# KiCad board MAXI030.kicad_pcb (continued)
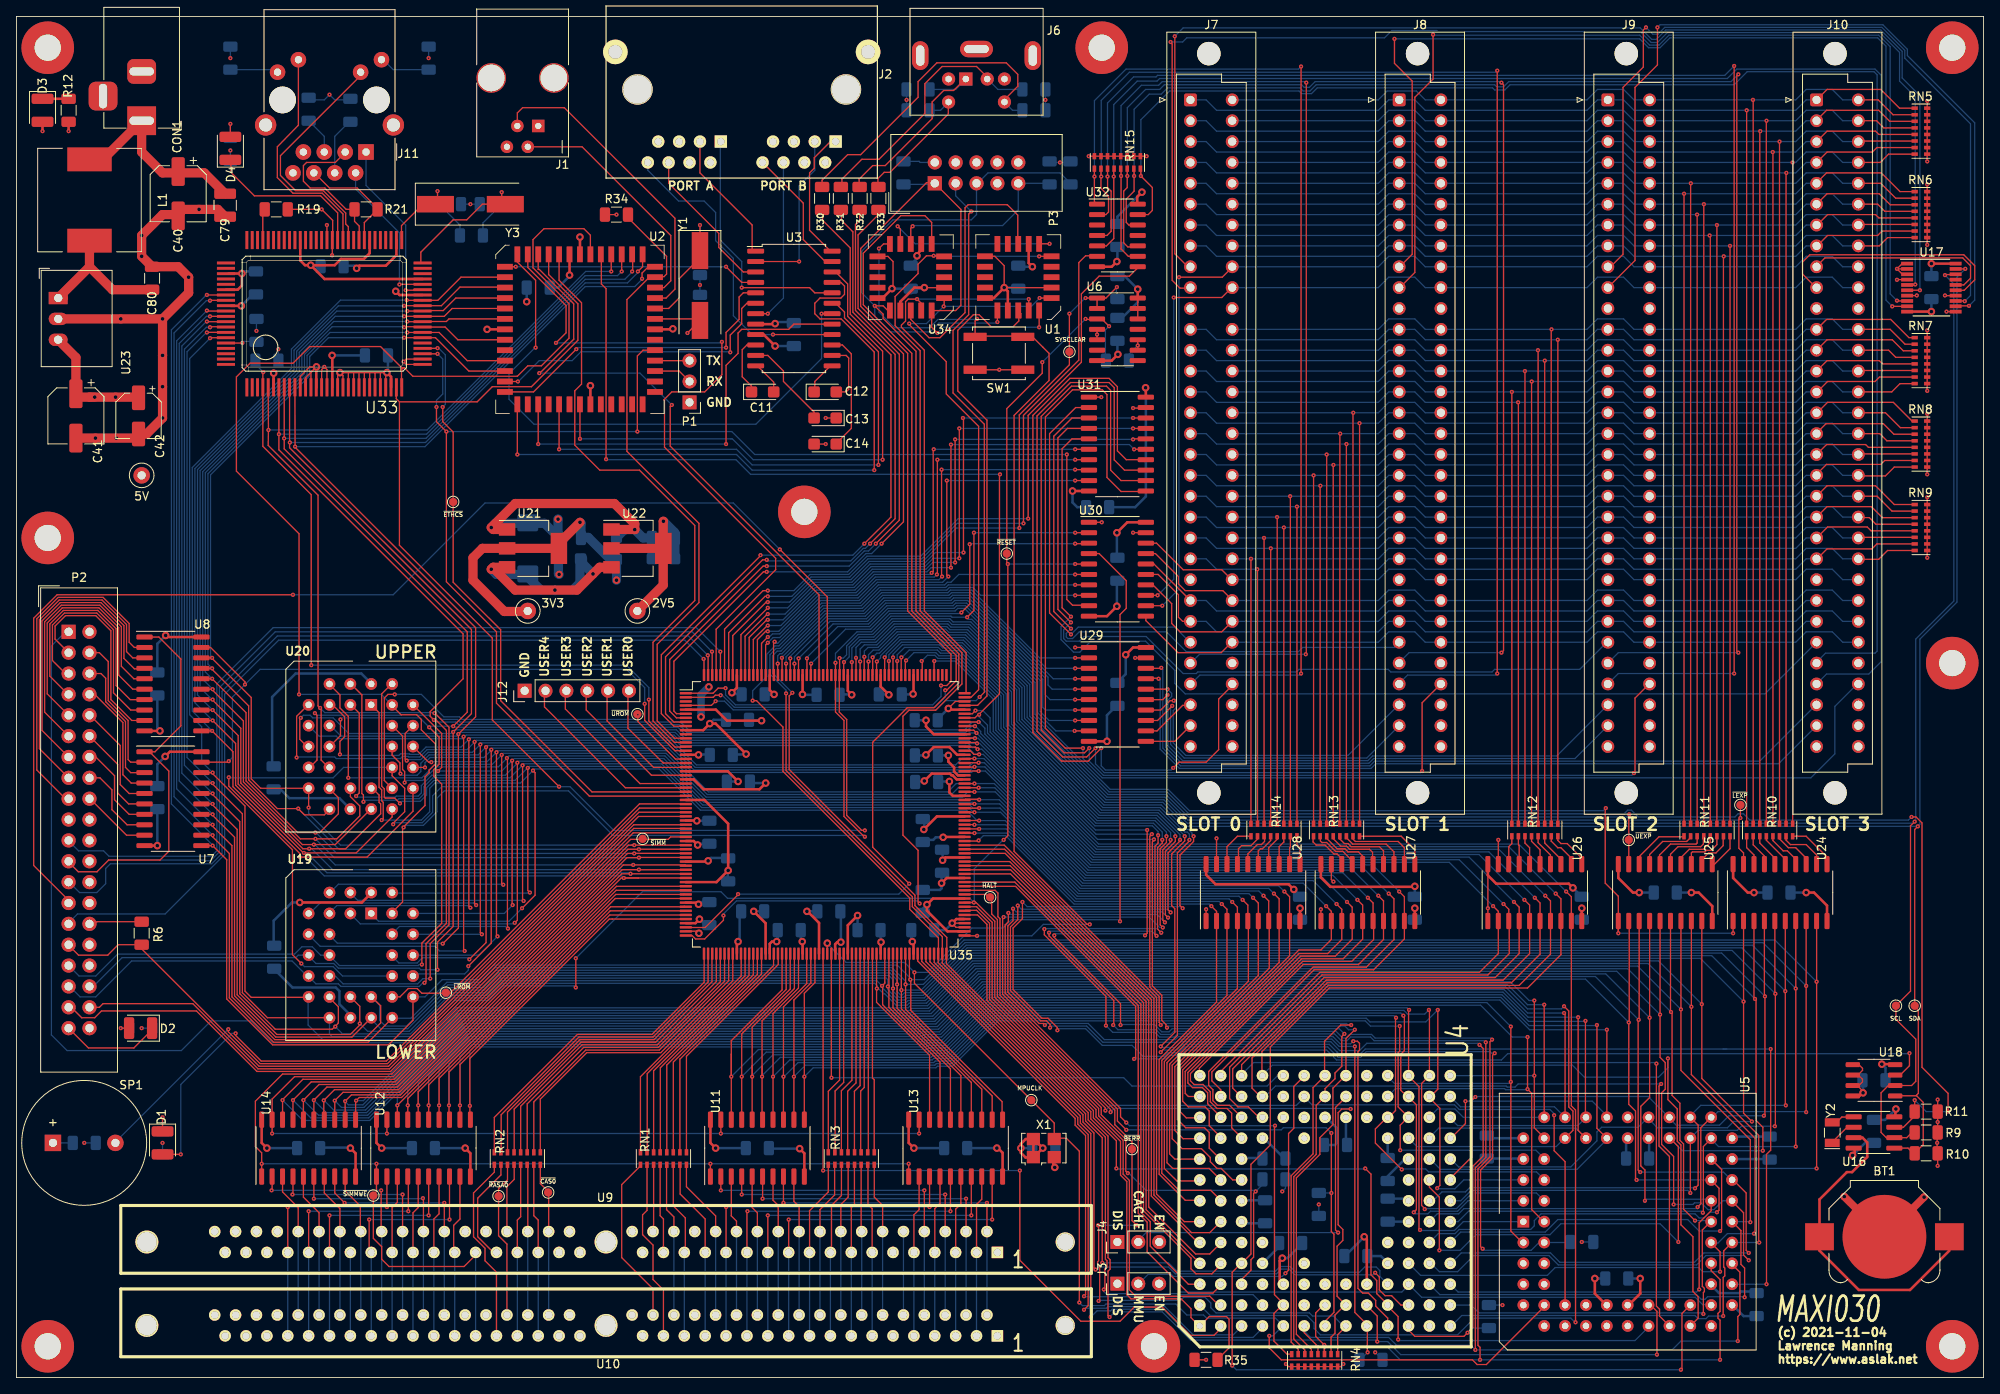
[diagram p0: board, top side]
## Routing (per net, layer and track width the routed paths; a pad name or vN(x,y) marks a point on that pad's centre or on a via; arc(x,y) is an arc through that point) (continued)
~{DSACK0}: length 242.4
  Top w0.152: v1(209.49,4.45) 209.49,7.43 209.74,7.68 209.74,12.83 208.72,13.84 ; 156.72,6.35 156.72,5.46 158.39,3.79 RN4.4 ; v1(139.45,65.47) 139.45,65.09 138.87,64.52 138.87,54.61 v1(139.32,54.17) ; v1(107.7,87.69) 107.68,87.67 107.68,85.54 ; v1(178.82,40.83) 178.82,26.8 177.55,25.53 v1(177.55,3.37) ; v1(132.59,42.86) 132.59,46.42 125.09,53.91 v1(125.09,54.61)
  Bottom w0.152: v1(139.32,54.17) 138.81,54.67 125.16,54.67 v1(125.09,54.61) ; v1(107.7,87.69) 107.76,87.69 108.65,88.58 112.08,88.58 112.46,88.2 114.62,88.2 119.82,82.99 119.82,79.06 131.38,67.5 138.37,67.5 139.45,66.42 v1(139.45,65.47) ; v1(132.59,42.86) 133.41,42.04 138.56,42.04 139.13,41.47 140.91,41.47 141.29,41.85 160.4,41.85 161.23,41.02 161.93,41.02 162.37,41.47 164.78,41.47 165.23,41.02 178.63,41.02 v1(178.82,40.83) ; U4.F1 156.72,5.65 157.48,4.89 167,4.89 167.96,3.94 176.97,3.94 v1(177.55,3.37) 201.49,3.37 202.56,4.45 v1(209.49,4.45)
~{DSACK1}: length 241.8
  Top w0.152: RN4.3 159.19,3.94 158.12,5.02 158.12,7.87 159.13,8.89 ; RN4.3 159.19,2.8 ; RN4.3 159.15,2.89 v1(159.15,3.98) ; U5.32 206.25,13.02 207.33,11.94 207.33,8.06 207.07,7.81 207.07,7.24 207.33,6.98 v1(207.33,2.16) ; v1(138.94,66.04) 138.94,65.09 138.56,64.71 138.56,53.98 v1(138.75,53.78) ; v1(125.67,54.17) 125.67,53.78 133.54,45.91 133.54,42.99 v1(133.48,42.93) ; 108.18,85.54 108.18,87.22 v1(108.27,87.31) ; v1(178.12,2.16) 178.12,3.68 177.86,3.94 177.86,25.4 179.32,26.86 179.32,40.89 v1(179.58,41.15)
  Bottom w0.152: v1(125.67,54.17) 125.86,54.36 138.18,54.36 v1(138.75,53.78) ; v1(108.27,87.31) 109.22,88.27 111.89,88.27 112.27,87.88 114.49,87.88 119.51,82.87 119.51,78.93 131.25,67.18 138.24,67.18 138.94,66.48 v1(138.94,66.04) ; v1(179.58,41.15) 179.39,41.34 165.35,41.34 164.91,41.78 162.24,41.78 161.8,41.34 161.42,41.34 160.59,42.16 140.84,42.16 140.46,41.78 139.26,41.78 138.68,42.35 134.05,42.35 v1(133.48,42.93) ; v1(159.15,3.98) 159.38,3.75 166.81,3.75 168.4,2.16 v1(178.12,2.16) v1(207.33,2.16)
~{DS}: length 206.4
  Top w0.152: U4.K2 166.88,8.7 168.15,7.43 v1(168.15,4.64) ; U30.8 v1(128.84,95.25) ; 113.22,51.94 113.22,53.59 109.35,57.47 109.35,58.74 94.04,74.04 94.04,82.99 v1(94.42,83.38) ; v1(164.15,25.46) 164.85,24.77 164.85,12.51 165.54,11.81 165.54,10.22 167,8.76 ; v1(133.86,25.46) 133.86,28.83 131.06,31.62 131.06,32.51 113.18,50.4 113.18,51.62
  Bottom w0.152: U4.K2 166.94,8.83 ; 198.69,6.22 196.98,4.51 168.28,4.51 v1(168.15,4.64) ; v1(164.15,25.46) 164.08,25.4 133.92,25.4 v1(133.86,25.46) ; v1(128.84,95.25) 117.35,95.25 116.4,96.2 113.54,96.2 113.22,95.88 105.16,95.88 102.93,93.66 98.23,93.66 93.03,88.46 92.58,88.46 92.01,87.88 92.01,85.79 v1(94.42,83.38)
~{ETHCS}: length 75.5
  Top w0.152: U33.34 51.21,125.31 v1(51.24,125.35) ; 81.6,71.31 70.04,71.31 58.93,82.42 58.93,91.06 53.15,96.84 53.15,115.13 51.88,116.4 v1(51.88,118.17)
  Bottom w0.152: v1(51.24,125.35) 51.37,125.35 52.2,124.52 52.2,118.49 v1(51.88,118.17)
~{EXPAS}: length 125.8
  Top w0.152: v1(140.84,131.51) 146.69,131.51 147.83,132.65 147.83,132.72 147.89,132.72 ; v1(138.87,95.25) U30.13 137.8,95.25
  Bottom w0.152: J7.c10 165.74,132.72 167,133.99 170.18,133.99 171.45,132.72 J8.c10 191.13,132.72 192.41,133.99 195.58,133.99 196.85,132.72 J9.c10 216.53,132.72 217.81,133.99 220.98,133.99 222.25,132.72 224.16,132.72 ; v1(138.87,95.25) 138.89,95.25 140.84,97.21 v1(140.84,131.51)
~{EXPBERRE0}: length 128.7
  Top w0.152: 134.43,147.19 v1(134.43,146.3) 134.43,137.41 135.32,136.53 U32.9 ; v1(156.97,157.67) 156.97,88.14 v1(156.91,88.07)
  Bottom w0.152: J7.a28 142.91,87 143.99,88.07 v1(156.91,88.07) ; v1(156.97,157.67) 156.85,157.8 139.45,157.8 139,157.35 136.91,157.35 134.43,154.88 v1(134.43,146.3)
~{EXPBERRE1}: length 148.9
  Top w0.152: RN15.6 135.19,146.3 ; 135.19,146.3 135.19,144.9 134.75,144.46 134.75,138.18 135.25,137.67 136.27,137.67 ; 135.19,146.3 v1(135.19,146.3) ; v1(180.72,88.27) 180.98,88.52 180.98,157.42 v1(180.72,157.67)
  Bottom w0.152: v1(180.72,88.27) 169.48,88.27 168.34,87.12 ; v1(180.72,157.67) 180.59,157.8 158.05,157.8 157.35,157.1 156.72,157.1 156.4,157.42 139.7,157.42 139.13,156.84 137.41,156.84 135.19,154.62 v1(135.19,146.3)
~{EXPBERRE2}: length 179.5
  Top w0.152: 136.02,146.37 v1(136.02,146.3) ; 136.02,146.37 136.02,147.19 ; 136.02,146.37 136.02,144.46 135.06,143.51 135.06,140.65 135.38,140.34 U32.12 ; v1(209.55,88.27) 209.36,88.46 209.36,158.5 v1(209.55,158.69)
  Bottom w0.152: v1(209.55,88.27) 194.94,88.27 J9.a28 ; v1(136.02,146.3) 136.02,154.43 137.86,156.27 139.32,156.27 140.08,157.04 156.21,157.04 156.59,156.65 157.42,156.65 158.18,157.42 179.9,157.42 180.15,157.16 180.98,157.16 181.61,157.8 208.66,157.8 v1(209.55,158.69)
~{EXPBERRE3}: length 185.2
  Top w0.152: U32.13 137.73,141.6 138.24,142.11 138.24,144.91 v1(136.84,146.3) 136.84,147.19
  Bottom w0.152: v1(136.84,146.3) 136.84,153.16 140.34,156.65 156.08,156.65 156.4,156.34 157.61,156.34 158.31,157.04 179.64,157.04 179.9,156.78 181.13,156.78 181.77,157.42 209.04,157.42 210.63,159 226.06,159 226.44,158.62 226.44,88.46 226.19,88.2 220.15,88.2 219.08,87.12
~{EXPDS}: length 129.3
  Top w0.152: 137.45,93.98 v1(139.45,93.98) ; v1(141.48,133.99) 146.75,133.99 148.02,135.25
  Bottom w0.152: 224.16,135.25 222.25,135.25 220.98,136.53 217.81,136.53 216.53,135.25 J9.c9 196.85,135.25 195.58,136.53 192.41,136.53 191.13,135.25 J8.c9 171.45,135.25 170.18,136.53 167,136.53 165.74,135.25 J7.c9 ; v1(139.45,93.98) 141.48,96.01 v1(141.48,133.99)
~{EXPIACKE0}: length 99.5
  Top w0.152: v1(140.78,74.23) 141.48,74.93 144.78,74.93 146.3,76.45 146.3,82.61 147.96,84.26 ; v1(132.02,76.64) 130.43,75.06 127.19,75.06 123.7,78.55 123.7,117.16 128.21,121.67 132.97,121.67 133.99,120.65 133.99,112.84 135.06,111.76 U31.14
  Bottom w0.152: v1(132.02,76.64) 132.02,74.49 132.52,73.98 140.53,73.98 v1(140.78,74.23)
~{EXPIACKE1}: length 125.4
  Top w0.152: 137.45,110.49 134.85,110.49 133.6,111.73 133.6,120.52 132.97,121.16 128.27,121.16 124.21,117.09 124.21,78.68 127.32,75.56 130.24,75.56 v1(131.32,76.64) ; 173.29,84.39 171.07,82.17 v1(171.07,73.85)
  Bottom w0.152: v1(171.07,73.85) 170.88,73.66 132.38,73.66 131.32,74.73 v1(131.32,76.64)
~{EXPIACKE2}: length 150.4
  Top w0.152: v1(196.85,73.6) 196.98,73.72 196.98,82.74 198.69,84.46 ; U31.12 134.43,109.22 133.16,110.49 133.16,120.21 132.65,120.71 128.4,120.71 124.71,117.03 124.71,78.87 127.51,76.07 129.98,76.07 v1(130.56,76.64)
  Bottom w0.152: v1(196.85,73.6) 196.58,73.33 132.28,73.33 130.56,75.06 v1(130.56,76.64)
~{EXPIACKE3}: length 172.8
  Top w0.152: 137.41,107.89 134.43,107.89 132.72,109.6 132.72,119.7 132.14,120.27 128.52,120.27 125.22,116.97 125.22,79.06 127.64,76.64 v1(129.79,76.64) ; 137.45,107.95 137.45,107.92
  Bottom w0.152: v1(129.79,76.64) 129.79,75.37 132.14,73.03 218.38,73.03 221.3,75.95 221.3,81.72 224.03,84.46 224.16,84.46
~{EXPINTE0}: length 47.2
  Top w0.152: v1(128.33,90.49) 125.73,93.09 125.73,114.94 128.91,118.11 130.52,118.11
  Bottom w0.152: 142.75,89.53 142.75,89.6 140.97,91.38 129.22,91.38 v1(128.33,90.49)
~{EXPINTE1}: length 73.1
  Top w0.152: U31.3 128.46,116.84 126.24,114.62 126.24,93.28 v1(128.33,91.19)
  Bottom w0.152: 168.28,89.47 167.7,88.9 156.53,88.9 156.02,88.39 142.37,88.39 139.95,90.81 129.35,90.81 128.52,89.98 127.95,89.98 127.76,90.17 127.76,90.61 v1(128.33,91.19)
~{EXPINTE2}: length 99.8
  Top w0.152: v1(128.33,91.95) 126.75,93.54 126.75,114.41 127.9,115.57 U31.4
  Bottom w0.152: v1(128.33,91.95) 127.44,91.06 127.44,89.98 127.76,89.66 129.35,89.66 129.92,90.23 137.48,90.23 141.99,85.72 143.57,85.72 143.76,85.92 155.77,85.92 156.08,86.23 166.94,86.23 167.26,85.92 179.58,85.92 179.9,86.23 190.25,86.23 193.48,89.47
~{EXPINTE3}: length 127.2
  Top w0.152: U31.5 128.46,114.3 127.25,113.09 127.25,93.73 v1(128.33,92.65)
  Bottom w0.152: v1(128.33,92.65) 127.13,91.44 127.13,89.85 128.65,88.33 129.41,88.33 130.75,89.66 137.41,89.66 140.97,86.11 140.97,84.52 142.24,83.25 212.79,83.25 219.01,89.47
~{EXPLCSE0}: length 6.7
  Top w0.152: 137.48,78.74 U29.12 138.81,78.74 141.92,81.85 142.81,81.85
~{EXPLCSE1}: length 39.8
  Top w0.152: U29.14 139.26,81.28 140.4,82.42 v1(140.84,82.42)
  Bottom w0.152: 168.15,81.85 162.05,75.76 142.3,75.76 140.78,77.28 140.78,81.22 141.16,81.6 141.16,82.11 v1(140.84,82.42)
~{EXPLCSE2}: length 66.9
  Top w0.152: v1(140.08,83.82) U29.16
  Bottom w0.152: 193.61,81.85 187.45,75.69 165.04,75.69 164.47,75.12 141.92,75.12 140.14,76.9 140.14,82.49 140.59,82.93 140.59,83.31 v1(140.08,83.82)
~{EXPLCSE3}: length 95.2
  Top w0.152: v1(139.32,86.42) 139.26,86.36 U29.18
  Bottom w0.152: 219.01,81.91 212.15,75.06 165.29,75.06 164.72,74.49 141.67,74.49 139.51,76.64 139.51,86.23 v1(139.32,86.42)
~{EXPREAD}: length 91.7
  Top w0.152: 147.96,97.09 146.69,98.36 141.99,98.36 138.75,101.6 137.45,101.6
  Bottom w0.152: 224.16,97.16 222.25,97.16 220.98,98.43 217.81,98.43 216.53,97.16 J9.c24 196.85,97.16 195.58,98.43 192.41,98.43 191.13,97.16 J8.c24 171.45,97.16 170.18,98.43 167,98.43 165.74,97.16 J7.c24
~{EXPRESET}: length 88.7
  Top w0.152: 142.81,92.08 141.92,92.08 141.41,92.58 141.41,95.31 138.94,97.79 U30.15
  Bottom w0.152: J7.a26 144.78,92.08 146.05,90.81 165.74,90.81 167,92.08 J8.a26 170.18,92.08 171.45,90.81 191.13,90.81 192.41,92.08 J9.a26 195.58,92.08 196.85,90.81 216.53,90.81 217.81,92.08 J10.a26
~{EXPUCSE0}: length 6
  Top w0.152: 142.75,79.25 140.97,77.47 U29.11
~{EXPUCSE1}: length 38.8
  Top w0.152: v1(140.65,81.79) 138.87,80.01 U29.13
  Bottom w0.152: 168.21,79.31 164.34,75.44 142.11,75.44 140.46,77.09 140.46,81.6 v1(140.65,81.79)
~{EXPUCSE2}: length 65.8
  Top w0.152: v1(140.08,83.12) 139.51,82.55 U29.15
  Bottom w0.152: 193.61,79.31 189.67,75.37 165.16,75.37 164.59,74.8 141.8,74.8 139.84,76.76 139.84,82.88 v1(140.08,83.12)
~{EXPUCSE3}: length 92.9
  Top w0.152: v1(139,85.09) 138.94,85.15 137.8,85.15
  Bottom w0.152: J10.a31 214.44,74.74 165.42,74.74 164.85,74.17 141.54,74.17 139.19,76.52 139.19,84.9 v1(139,85.09)
~{EXPWAITE0}: length 128.5
  Top w0.152: v1(156.34,159.64) v1(156.34,85.72) ; 131.25,147.19 RN15.1 131.19,146.23 ; 131.19,146.23 131.19,143.2 131.51,142.88 ; 131.19,146.23 v1(131.19,146.24)
  Bottom w0.152: v1(156.34,159.64) 156.02,159.32 135.03,159.32 131.19,155.48 v1(131.19,146.24) ; 142.94,84.46 144.02,85.53 156.15,85.53 v1(156.34,85.72)
~{EXPWAITE1}: length 152.4
  Top w0.152: RN15.2 131.99,146.21 ; 131.99,146.21 v1(132.02,146.24) ; 131.99,146.21 131.99,144.81 132.91,143.89 132.91,141.92 132.59,141.6 131.19,141.6 ; v1(180.21,159.13) v1(180.21,85.72)
  Bottom w0.152: v1(132.02,146.24) 132.02,155.51 135.45,158.94 180.02,158.94 v1(180.21,159.13) ; 168.28,84.52 169.29,85.53 180.02,85.53 v1(180.21,85.72)
~{EXPWAITE2}: length 186
  Top w0.152: 132.78,146.25 v1(132.78,146.24) ; 132.78,146.25 RN15.3 ; 132.78,146.25 132.78,144.9 133.22,144.46 133.22,139.57 132.72,139.06 132.33,139.06 132.27,139 ; 131,139.06 131.06,139.13 ; v1(209.04,159.7) v1(209.04,85.72)
  Bottom w0.152: v1(209.04,159.7) 207.9,158.56 138.87,158.56 138.68,158.37 135.95,158.37 132.78,155.19 v1(132.78,146.24) ; J9.a29 194.94,85.72 v1(209.04,85.72)
~{EXPWAITE3}: length 195.6
  Top w0.152: U32.5 132.65,137.8 133.54,138.68 v1(133.54,146.24) 133.54,147.26
  Bottom w0.152: v1(133.54,146.24) 133.54,155 136.4,157.86 138.81,157.86 139.13,158.18 208.22,158.18 209.36,159.32 226.19,159.32 226.95,158.56 226.95,87.19 225.43,85.66 220.28,85.66 J10.a29
~{EXPWRITE}: length 92.7
  Top w0.152: U30.17 138.62,100.33 141.41,97.54 141.41,96.65 142.24,95.82 146.81,95.82 147.96,94.68
  Bottom w0.152: J7.c25 165.74,94.62 167,95.88 170.18,95.88 171.45,94.62 J8.c25 191.13,94.62 192.41,95.88 195.58,95.88 196.85,94.62 J9.c25 216.53,94.62 217.81,95.88 220.98,95.88 222.25,94.62 224.16,94.62
~{FPUCS}: length 191.1
  Top w0.152: v1(142.75,65.47) 142.75,65.34 141.29,63.88 141.29,41.66 v1(139.26,39.62) ; U35.199 104.2,85.57 v1(104.2,87.69) ; v1(212.98,11.37) 212.98,27.18 213.49,27.69 v1(213.49,40.01)
  Bottom w0.152: 207.71,40.01 164.15,40.01 163.58,39.43 160.91,39.43 160.72,39.62 ; 207.71,40.01 v1(213.49,40.01) ; 207.71,40.01 208.15,40.01 ; 160.72,39.62 159.77,40.58 141.92,40.58 141.22,39.88 139.51,39.88 v1(139.26,39.62) ; 160.72,39.62 160.78,39.62 ; v1(104.2,87.69) 104.71,88.2 105.03,88.2 107.31,90.49 112.84,90.49 113.22,90.11 115.38,90.11 121.73,83.76 121.73,79.88 132.21,69.41 139.19,69.41 142.18,66.42 142.49,66.42 142.75,66.17 v1(142.75,65.47) ; U5.29 v1(212.98,11.37)
~{FPUSENSE}: length 196
  Top w0.152: v1(122.43,57.91) 122.43,55.88 121.28,54.74 121.28,47.24 124.78,43.75 125.54,43.75 126.68,42.61 v1(126.68,42.29) ; v1(143.26,65.91) 143.26,65.28 141.61,63.63 141.61,57.47 v1(141.92,57.15) ; v1(179.9,39.5) 179.64,39.24 179.64,26.73 178.18,25.27 178.18,15.94 v1(178.44,15.68) ; v1(103.7,87.19) 103.68,87.16 U35.200
  Bottom w0.152: v1(103.7,87.19) 103.7,88.01 104.27,88.58 104.97,88.58 107.19,90.81 112.97,90.81 113.35,90.42 115.51,90.42 122.05,83.88 122.05,80.01 132.33,69.72 139.32,69.72 142.3,66.74 142.62,66.74 143.07,66.29 143.07,66.1 v1(143.26,65.91) ; v1(141.92,57.15) 141.73,57.34 123,57.34 v1(122.43,57.91) ; v1(126.68,42.29) 126.87,42.48 130.11,42.48 132.14,40.45 135.76,40.45 137.1,39.12 139.7,39.12 140.14,39.56 141.48,39.56 142.18,40.26 159.58,40.26 160.85,38.99 163.58,38.99 164.27,39.69 179.32,39.69 179.51,39.5 v1(179.9,39.5) ; v1(178.44,15.68) 178.63,15.49 184.34,15.49 185.29,16.45 U5.4 189.17,16.45 189.23,16.51
~{HALT}: length 97.8
  Top w0.152: 161.73,8.89 160.46,7.62 160.46,5.4 159.99,4.92 RN4.2 ; v1(133.16,32.32) 133.16,32.64 119.38,46.42 119.38,55.75 118.68,56.45 118.68,58.1 117.95,58.83 U35.131 ; 161.86,8.76 160.72,9.91 160.72,16 161.42,16.7 161.42,18.03 160.85,18.61 160.85,32.26 161.29,32.7 v1(162.37,32.7)
  Bottom w0.152: v1(162.37,32.7) 162.31,32.77 133.6,32.77 v1(133.16,32.32)
~{IACKE0}: length 63.2
  Top w0.152: v1(91.44,90.87) 91.19,90.87 90.18,89.86 90.18,85.54 ; v1(111.63,113.03) 111.57,112.97 111.57,98.17 v1(111.38,97.98) ; v1(128.84,113.03) 130.81,113.03
  Bottom w0.152: v1(91.44,90.87) 92.77,90.87 97.47,95.57 102.17,95.57 104.39,97.79 111.19,97.79 v1(111.38,97.98) ; v1(111.63,113.03) v1(128.84,113.03)
~{IACKE1}: length 61.1
  Top w0.152: v1(91.44,90.17) 90.68,89.41 90.68,85.54 ; v1(112.01,97.79) 112.08,97.85 v1(112.08,111.76) ; U31.7 v1(128.84,111.76)
  Bottom w0.152: v1(91.44,90.17) 91.63,90.17 92.01,90.55 92.9,90.55 97.6,95.25 102.3,95.25 104.52,97.47 111.7,97.47 v1(112.01,97.79) ; v1(128.84,111.76) v1(112.08,111.76)
~{IACKE2}: length 59.3
  Top w0.152: v1(112.65,97.54) 112.59,97.6 v1(112.59,110.55) ; U35.225 91.18,89.21 v1(91.44,89.47) ; v1(128.84,110.55) 130.05,110.55 130.18,110.43
  Bottom w0.152: v1(112.65,97.54) 112.27,97.16 104.65,97.16 102.43,94.93 97.73,94.93 92.9,90.11 92.08,90.11 v1(91.44,89.47) ; v1(112.59,110.55) v1(128.84,110.55)
~{IACKE3}: length 57.5
  Top w0.152: v1(113.41,97.54) 113.22,97.73 v1(113.22,109.22) ; v1(92.27,89.6) 92.14,89.47 92.14,85.58 U35.223 ; v1(128.84,109.22) 130.24,109.22
  Bottom w0.152: v1(113.41,97.54) 112.71,96.84 104.78,96.84 102.55,94.62 97.85,94.62 92.65,89.41 92.46,89.41 v1(92.27,89.6) ; v1(113.22,109.22) v1(128.84,109.22)
~{IDE1CS}: length 91.2
  Top w0.152: P2.37 6.67,45.09 7.94,43.81 9.53,43.81 10.35,44.64 21.91,44.64 29.27,37.27 45.53,37.27 75.12,66.87 81.34,66.87
~{IDE3CS}: length 88
  Top w0.152: 81.15,67.31 75.12,67.31 45.4,37.59 29.4,37.59 21.46,45.53 10.54,45.53 10.1,45.09 P2.38
~{IDECS}: length 82
  Top w0.152: U8.19 23.62,88.9 27.81,84.71 v1(27.81,84.39) ; 22.61,88.9 22.67,88.84 ; v1(76.45,82.04) 76.45,80.01 80.14,76.33 81.53,76.33 ; v1(25.84,75.06) 25.72,74.93 U7.19 22.61,74.93
  Bottom w0.152: v1(25.84,75.06) 26.29,75.5 26.29,82.87 v1(27.81,84.39) 29.65,86.23 74.23,86.23 76.45,84.01 v1(76.45,82.04)
~{IDEDMAACK}: length 106.1
  Top w0.152: v1(83.63,87.5) 83.68,87.46 83.68,85.54
  Bottom w0.152: v1(83.63,87.5) 81.34,89.79 31.91,89.79 25.34,83.22 25.34,63.69 18.1,56.45 7.43,56.45 6.22,55.25
~{IDEDMAREQ}: length 107.6
  Top w0.152: 85.68,85.54 85.68,88.38 v1(85.66,88.39)
  Bottom w0.152: P2.21 6.35,65.34 7.56,64.14 10.6,64.14 11.26,63.47 23.72,63.47 24.38,64.14 24.38,84.46 31.24,91.31 82.74,91.31 v1(85.66,88.39)
~{IDEREADY}: length 153.2
  Top w0.152: P2.27 6.35,58.1 2.1,62.36 2.1,92.46 4.95,95.31 v1(33.66,95.31) ; 98.68,85.53 98.68,95.06 v1(92.9,100.84) 92.77,100.84
  Bottom w0.152: v1(92.9,100.84) 87.25,106.49 57.02,106.49 45.85,95.31 v1(33.66,95.31)
~{IDEREAD}: length 107.5
  Top w0.152: v1(84.14,87.95) 84.18,87.91 84.18,85.54
  Bottom w0.152: 6.35,60.13 P2.25 6.41,60.33 7.68,59.06 9.78,59.06 10.86,60.13 10.86,61.99 11.43,62.56 23.76,62.56 25.02,63.82 25.02,83.57 31.75,90.3 81.79,90.3 v1(84.14,87.95)
~{IDEWRITE}: length 153.5
  Top w0.152: U8.1 17.34,90.17 20,87.5 20,79.34 16.86,76.2 U7.1 ; v1(84.65,88.39) 84.68,88.36 84.68,85.54 ; 6.35,62.76 7.52,61.59 9.8,61.59 11.23,63.02 17.48,63.02 18.54,64.08 18.54,73.85 16.19,76.2 15.56,76.2
  Bottom w0.152: 22.99,62.93 23.62,62.93 24.7,64.01 24.7,84.01 31.5,90.81 82.23,90.81 v1(84.65,88.39) ; 22.99,62.93 22.92,62.93 ; 22.99,62.93 22.9,63.02 11.23,63.02 9.8,61.59 7.52,61.59 6.29,62.83 6.29,62.87
~{INTE0}: length 74.8
  Top w0.152: 88.18,85.54 88.18,90.46 v1(91.44,93.73) ; v1(115.19,116.84) 115.25,116.78 v1(115.25,100.46) ; v1(135.89,116.84) 137.41,116.84
  Bottom w0.152: v1(91.44,93.73) 93.85,93.73 96.96,96.84 101.66,96.84 103.89,99.06 110.43,99.06 111.82,100.46 v1(115.25,100.46) ; v1(115.19,116.84) v1(135.89,116.84)
~{INTE1}: length 73.2
  Top w0.152: U31.17 v1(135.89,115.57) ; v1(114.74,115.57) v1(114.74,99.76) ; 88.68,85.54 88.68,90.26 91.38,92.96 v1(91.44,92.96)
  Bottom w0.152: v1(114.74,99.76) 111.57,99.76 110.55,98.74 104.01,98.74 101.79,96.52 97.09,96.52 93.54,92.96 v1(91.44,92.96) ; v1(114.74,115.57) v1(135.89,115.57)
~{INTE2}: length 71.2
  Top w0.152: v1(91.44,92.27) 91.31,92.27 89.18,90.13 89.18,85.54 ; v1(114.24,99.25) v1(114.24,114.24) ; v1(135.89,114.24) 135.95,114.3 136.97,114.3
  Bottom w0.152: v1(114.24,114.24) v1(135.89,114.24) ; v1(114.24,99.25) 111.51,99.25 110.68,98.43 104.15,98.43 101.93,96.2 97.23,96.2 93.29,92.27 v1(91.44,92.27)
~{INTE3}: length 70.8
  Top w0.152: v1(136.02,113.03) 137.29,113.03 ; v1(91.44,91.57) 91.38,91.57 89.68,89.87 89.68,85.54 ; 113.73,113.54 v1(113.73,98.62)
  Bottom w0.152: v1(113.73,98.62) 111.32,98.62 110.81,98.11 104.27,98.11 102.04,95.88 97.35,95.88 93.03,91.57 v1(91.44,91.57) ; 113.67,113.6 135.45,113.6 v1(136.02,113.03)
  vias: v1(113.73,113.6)
~{IPEND}: length 71
  Top w0.152: v1(99.19,36.51) 99.18,36.52 U35.92
  Bottom w0.152: v1(99.19,36.51) 134.75,36.51 135.76,35.5 152.21,35.5 153.42,36.7 154.11,36.7
~{IPL0}: length 120.8
  Top w0.152: RN4.5 157.59,3.45 155.77,5.27 155.77,24.32 158.62,27.18 158.62,29.21 160.21,30.8 160.21,35.24 161.67,36.7 ; v1(162.88,42.35) 161.8,41.28 U4.H13 ; v1(140.02,42.61) 139.89,42.74 139.89,42.99 139.38,43.5 139.38,46.55 138.24,47.69 138.24,65.21 138.49,65.47 v1(138.43,65.53) ; v1(116.71,81.22) 116.33,80.83 U35.175 115.39,80.83 115.33,80.77
  Bottom w0.152: v1(116.71,81.22) 117.6,81.22 118.49,80.33 118.49,78.61 131.57,65.53 v1(138.43,65.53) ; v1(162.88,42.35) 162.12,42.35 161.67,42.8 140.21,42.8 v1(140.02,42.61)
~{IPL1}: length 131
  Top w0.152: RN4.7 155.99,3.46 155.13,4.32 155.13,24.57 157.8,27.24 157.8,35.31 U4.G13 159.45,36.77 159.19,37.02 159.19,40.96 161.16,42.93 v1(162.43,42.93) ; v1(139.26,42.93) 139.32,42.99 139.06,43.24 139.06,46.42 137.92,47.56 137.92,65.91 v1(138.18,66.17) ; 111.68,85.54 111.68,87.23 v1(111.7,87.25)
  Bottom w0.152: v1(138.18,66.17) 131.38,66.17 118.87,78.68 118.87,82.61 114.24,87.25 v1(111.7,87.25) ; v1(162.43,42.93) 162.05,42.93 161.86,43.12 139.45,43.12 v1(139.26,42.93)
~{IPL2}: length 149.3
  Top w0.152: U4.G12 159.26,34.16 ; U4.G12 158.18,33.15 158.18,27.18 155.45,24.45 155.45,4.7 156.79,3.36 RN4.6 ; U4.G12 159.26,35.18 160.46,36.39 160.46,37.08 161.29,37.91 161.29,41.53 v1(161.61,41.85) ; v1(110.17,87.25) 110.24,87.19 110.24,85.47 ; v1(137.6,66.67) 137.6,54.1 v1(137.35,53.85) ; v1(126.3,53.85) 126.3,53.59 134.37,45.53 v1(134.37,42.93)
  Bottom w0.152: v1(134.37,42.93) 134.43,42.99 138.49,42.99 139.38,42.1 140.27,42.1 140.65,42.48 160.97,42.48 v1(161.61,41.85) ; v1(110.17,87.25) 110.87,87.95 111.76,87.95 112.14,87.57 114.36,87.57 119.19,82.74 119.19,78.8 131.32,66.67 137.57,66.67 137.6,66.71 v1(137.6,66.67) ; v1(137.35,53.85) 137.16,54.04 126.49,54.04 v1(126.3,53.85)
~{LCSE0}: length 47.2
  Top w0.152: U29.8 v1(128.84,80.01) ; v1(96.2,87.57) 96.2,85.41
  Bottom w0.152: v1(128.84,80.01) 125.67,80.01 124.59,81.09 124.59,84.9 115.51,93.98 114.43,93.98 114.11,93.66 106.05,93.66 103.82,91.44 99.95,91.44 96.2,87.69 v1(96.2,87.57)
~{LCSE1}: length 46.9
  Top w0.152: v1(94.68,86.93) 94.68,85.72 ; v1(128.84,82.55) U29.6
  Bottom w0.152: v1(128.84,82.55) 125.79,82.55 125.22,83.12 125.22,85.15 115.76,94.62 114.17,94.62 113.86,94.3 105.79,94.3 103.57,92.08 99,92.08 94.68,87.76 v1(94.68,86.93)
~{LCSE2}: length 45.9
  Top w0.152: v1(93.66,86.93) 93.66,86.04 ; U29.4 v1(128.84,85.09)
  Bottom w0.152: v1(93.66,86.93) 93.66,87.76 98.62,92.71 103.31,92.71 105.54,94.93 113.6,94.93 113.92,95.25 116.01,95.25 126.17,85.09 v1(128.84,85.09)
~{LCSE3}: length 46.7
  Top w0.152: v1(92.65,86.93) 92.65,85.79 ; U29.2 v1(128.84,87.63)
  Bottom w0.152: v1(92.65,86.93) 92.65,87.88 92.9,88.14 93.15,88.14 98.36,93.34 103.06,93.34 105.28,95.57 113.35,95.57 113.67,95.88 116.27,95.88 124.52,87.63 v1(128.84,87.63)
~{LEXP}: length 131.4
  Top w0.152: 209.8,69.53 v1(209.8,68.14) 209.61,67.95 209.61,64.45 210.19,63.88 210.19,62.87 ; U35.203 102.18,87.63 v1(102.17,87.63)
  Bottom w0.152: v1(209.8,68.14) 209.55,67.88 142.56,67.88 139.76,70.68 132.72,70.68 123,80.39 123,84.26 115.89,91.38 113.73,91.38 113.35,91.76 106.81,91.76 104.58,89.53 102.81,89.53 102.17,88.9 v1(102.17,87.63)
~{LROM}: length 46
  Top w0.152: 81.47,69.85 75.82,69.85 52.77,46.8 49.34,46.8 48.77,47.37 47.69,47.37 46.67,46.36 U19.22
~{MMUDIS}: length 43.7
  Top w0.152: 156.78,36.77 155.45,35.43 155.45,30.35 154.81,29.72 154.81,13.08 v1(154.43,12.7)
  Bottom w0.152: v1(154.43,12.7) 154.05,12.32 140.78,12.32 140.53,12.57 137.73,12.57 136.59,11.43 J3.2
~{QUARTDTACK}: length 76.3
  Top w0.152: U2.5 63.5,134.92 63.64,134.92 67.82,130.75 67.82,126.43 63.69,122.3 v1(63.63,122.3) ; U35.212 97.68,95.3 79.57,113.41 79.57,118.24 v1(79.76,118.43)
  Bottom w0.152: v1(79.76,118.43) 75.88,122.3 v1(63.63,122.3)
~{QUARTIACK}: length 87.7
  Top w0.152: 85.15,85.72 85.15,91.12 92.39,98.36 92.39,99.76 78.87,113.28 78.87,119 78.8,119.06 79.76,120.02 83.76,120.02 85.85,122.11 v1(85.85,126.11) ; v1(65.66,125.98) 66.89,127.22 66.89,130.52 62.23,135.18 U2.6
  Bottom w0.152: v1(85.85,126.11) 85.73,125.98 v1(65.66,125.98)
~{QUARTIRQ}: length 76
  Top w0.152: 81.41,77.85 80.07,77.85 77.98,79.95 77.98,89.28 83.06,94.36 83.06,104.01 74.3,112.78 74.3,131.25 77.03,133.99 U2.45 ; 78.36,134.05 78.8,134.05 79.12,134.37 79.12,136.53 74.3,141.35 74.3,141.6
~{QUART}: length 74.7
  Top w0.152: U2.3 66.04,133.6 68.77,130.87 68.77,120.97 67.95,120.14 67.95,113.54 70.99,110.49 75.82,110.49 82.55,103.76 82.55,94.62 77.47,89.53 77.47,79.95 80.07,77.34 81.85,77.34
~{RASA0}: length 19.2
  Top w0.152: U10.44 59.69,16.26 58.67,17.27 58.67,22.99 59.76,24.07 RN2.11
~{RASA1}: length 23